# Altium PCB MR9737V1746.PcbDoc
Units mil, origin at the board's own origin, x right, y up, seen from the top; angles counter-clockwise.
Board outline 1968.5 x 3692.91 mil, 2 copper layers (Top Layer, Bottom Layer); 65 components, 47 nets, 202 pads, 90 vias.
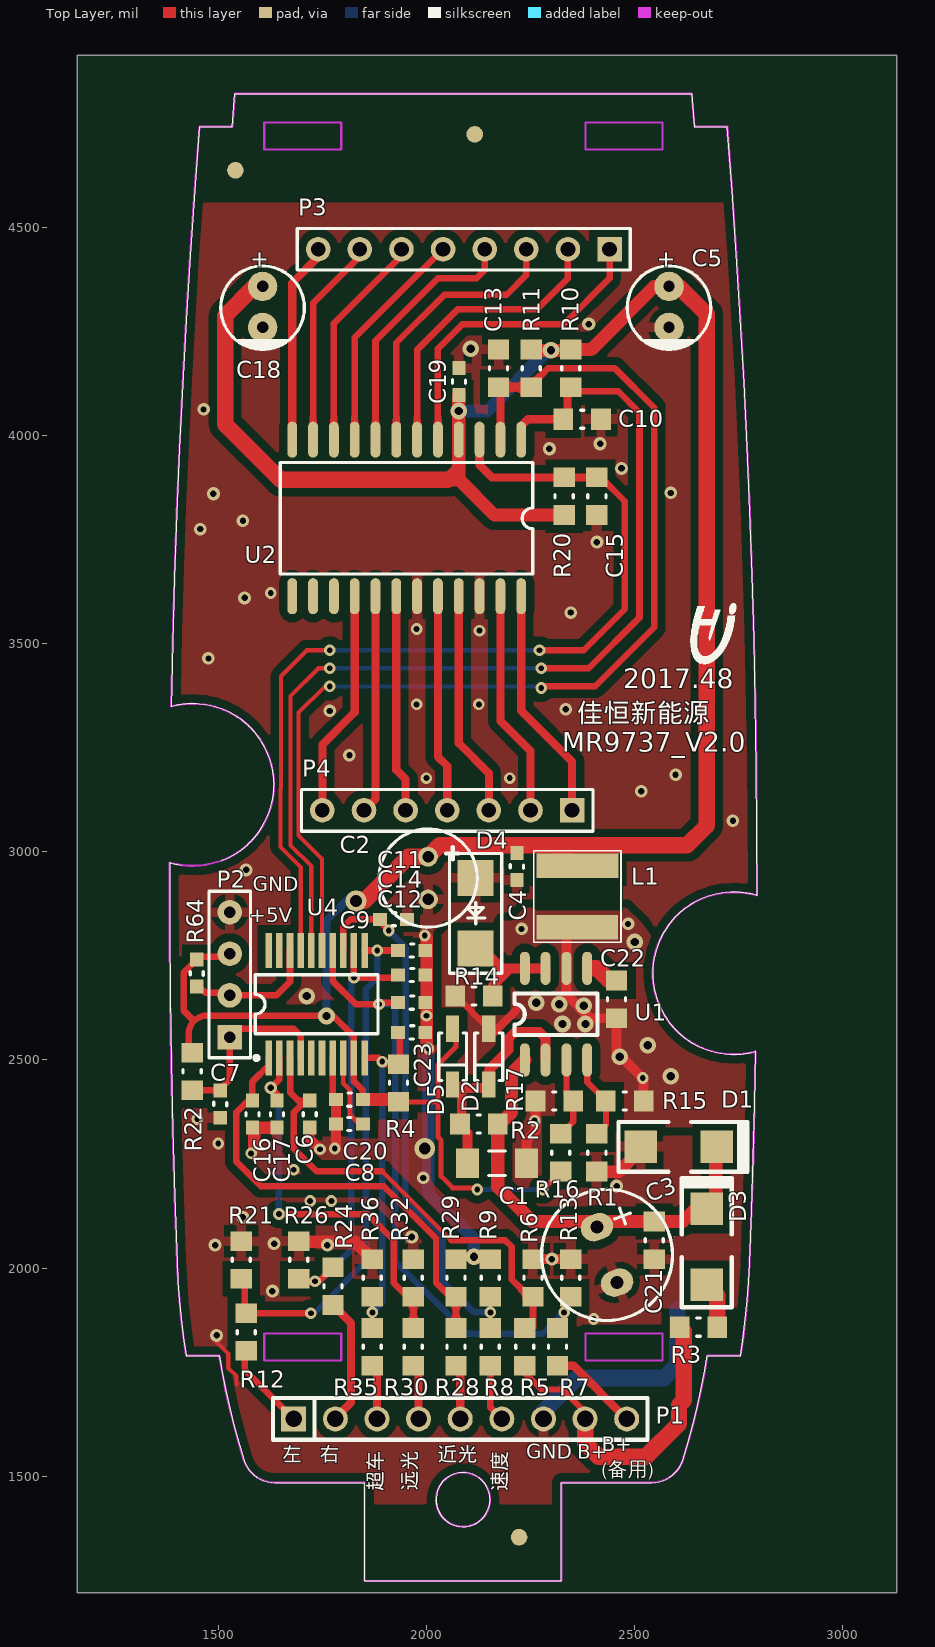
[diagram p0: Top Layer view]
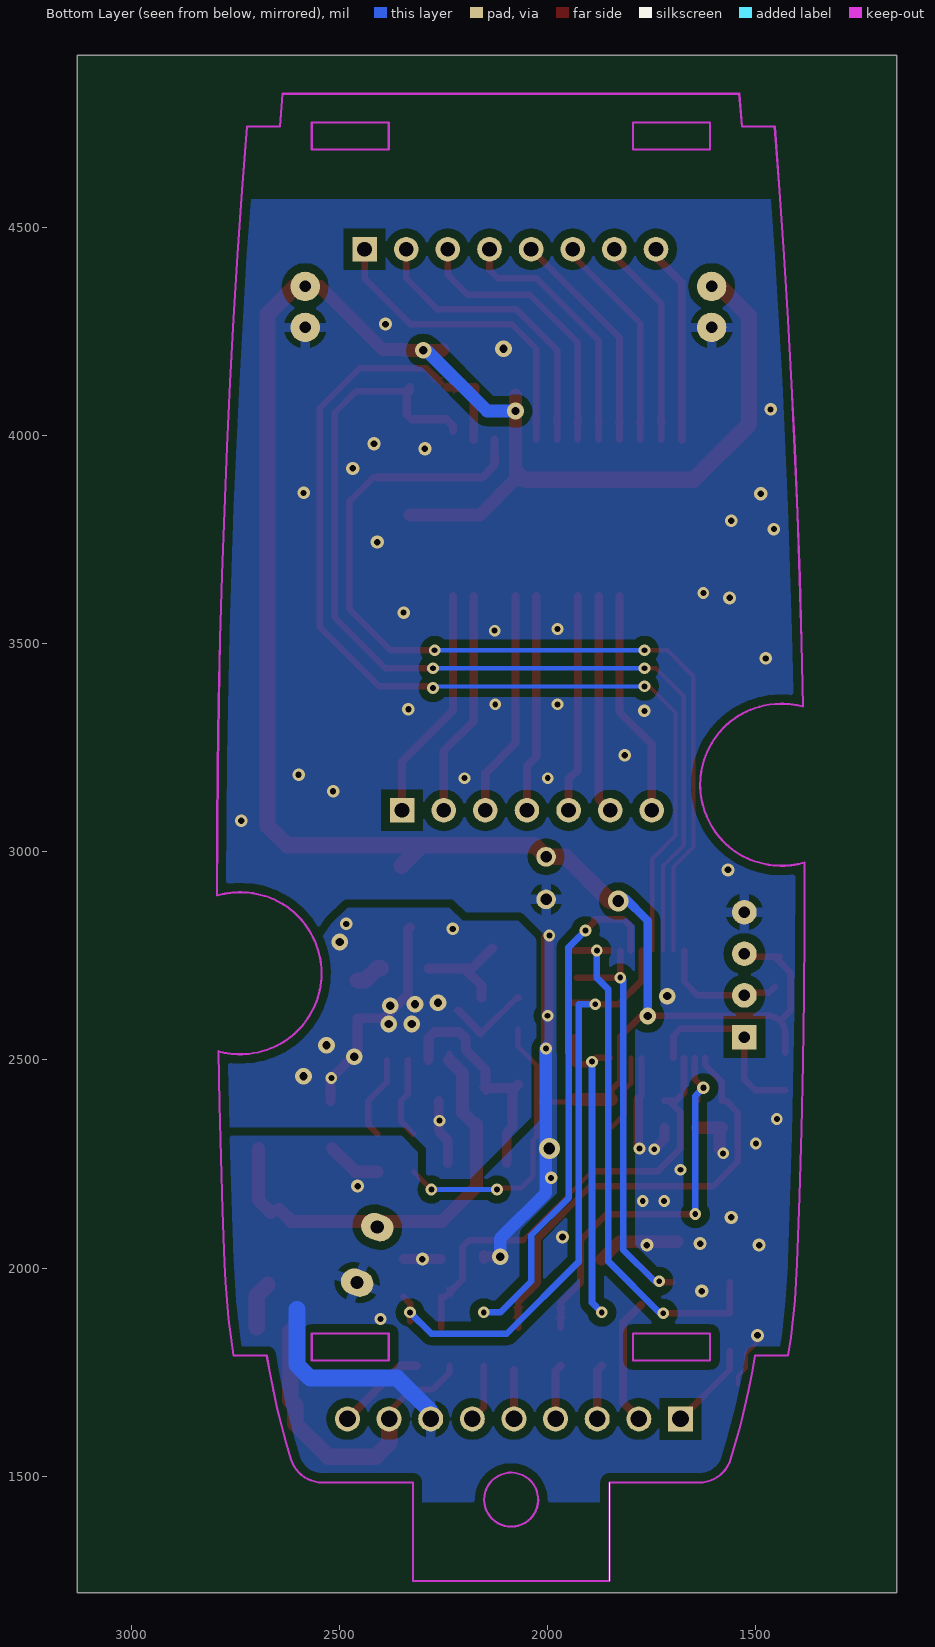
[diagram p1: Bottom Layer view, seen from below]

## Layer stack, top to bottom
Top Solder: solder mask 0.4, Solder Resist, Dk 3.5
Top Layer: signal copper 1.4
Dielectric 1: dielectric 12.6, FR-4, Dk 4.8
Bottom Layer: signal copper 1.4
Bottom Solder: solder mask 0.4, Solder Resist, Dk 3.5

## Board outline
1161.42,4913.39 1161.42,1220.47 3129.92,1220.47 3129.92,4913.39

## Design rules (kind name [scope] priority, off if disabled: settings)
Clearance [InPoly] p1: gap=20
Clearance Clearance_2 [All] p2: gap=8
Clearance Clearance_1 [All] p3 off: gap=19.68
ComponentClearance [All] p1 off: gap=10 collisioncheckmode=3 verticalgap=10 showdistances=FALSE
Height [All] p1 off: minheight=0 maxheight=1000 prefheight=500
HoleSize [All] p1: absolutevalues=TRUE maxlimit=10000 minlimit=10 maxpercent=80.000 minpercent=20.000
MinimumSolderMaskSliver [All] p1 off: minsoldermaskwidth=10
PlaneConnect [All] p1: planeconnectstyle=Relief reliefexpansion=15 reliefentries=4 reliefconductorwidth=10 reliefairgap=12
PolygonConnect PolygonConnect_1 [IsVia] p1: connectstyle=Direct reliefconductorwidth=10 reliefentries=4 polygonreliefangle="90 Angle" airgapwidth=10
PolygonConnect [InNet('GND')] p2: connectstyle=Relief reliefconductorwidth=23.62 reliefentries=4 polygonreliefangle="90 Angle" airgapwidth=15
PolygonConnect PolygonConnect_2 [All] p3: connectstyle=Direct reliefconductorwidth=10 reliefentries=4 polygonreliefangle="90 Angle" airgapwidth=10
RoomDefinition MR9737V2.0 [InComponentClass('MR9737V2.0')] p1: confinementstyle=ConfineIn formatcopy=TRUE lockcomponents=FALSE outline 0,0 2000,0 2000,1000 0,1000
RoutingVias [All] p1: holewidth=20 width=23.62 viastyle="Through Hole" minholewidth=11.81 minwidth=12 maxholewidth=1181.1 maxwidth=5000
SilkToSilkClearance [All] p1 off: silktosilkclearance=10
SilkToSolderMaskClearance [IsPad] p1 off: minsilkscreentomaskgap=10 clearancetoexposedcopper=TRUE
SolderMaskExpansion [All] p1: expansion=4
Width [All] p1: maxlimit=10000 minlimit=7.87 preferedwidth=7.87
23 further rules are at their usual default settings.

## Components (designator, comment, footprint, x,y, rotation, side; value= is the part's Value field where it differs from the comment)
C1 "4.7uF/16V" 1206 2169.29,2251.97 r180 top (schematic designator R2)
C2 "220uF/10V" RB.1/.2 2003.94,2988.19 r270 top
C3 "33uF/100V" "RB 8*12" 2409.45,2098.43 r290 top
C4 "100n" 0603#1 2216.54,2964.57 r90 top (schematic designator R2)
C5 "47uF/10V" CE-D5.2 2582.68,4358.27 r270 top (schematic designator C37)
C6 "100n" 0603#1 1720.47,2370.08 r270 top (schematic designator R2)
C7 "100n" 0603#1 1503.94,2393.7 r90 top (schematic designator R2)
C8 "100n" 0603#2 1847.46,2346.46 r180 top (schematic designator C12)
C9 "10n" 0603#1 1921.26,2838.58 r0 top (schematic designator C174)
C10 "100p" 0805#1 2374.02,4039.37 r180 top (schematic designator C174)
C11 "100n" 0603#1 1964.57,2763.78 r0 top (schematic designator R2)
C12 "100n" 0603#2 1932.07,2637.8 r0 top
C13 "100p" 0805#1 2173.23,4161.42 r270 top (schematic designator C174)
C14 "100n" 0603#1 1964.57,2704.72 r0 top (schematic designator R2)
C15 "100p" 0805#1 2409.45,3854.33 r90 top (schematic designator C174)
C16 "100n" 0603#1 1582.68,2370.08 r270 top (schematic designator R2)
C17 "100n" 0603#1 1641.73,2370.08 r270 top (schematic designator R2)
C18 "47uF/10V" CE-D5.2 1606.3,4358.27 r270 top (schematic designator C37)
C19 "100n" 0603#1 2078.74,4129.92 r270 top (schematic designator R2)
C20 "100n" 0603#1 1814.96,2405.51 r0 top (schematic designator R2)
C21 "100n100V" 0805#1 2547.24,2066.93 r90 top
C22 "4.7uF/16V" 0805#1 2456.69,2645.67 r90 top
C23 "100n" 0603#1 1964.57,2566.93 r0 top (schematic designator R2)
D1 "SMAJ100A" SMA#1 2606.3,2291.34 r180 top
D2 "BZT52C12" SOD123 2149.61,2507.87 r270 top
D3 "M4" SMA#1 2673.23,2051.18 r270 top
D4 "US1D" SMA#2 2118.11,2937.01 r270 top
D5 "SD103CW-7-F" SOD123 2062.99,2507.87 r270 top
L1 "SWPA5040S101MT" L5040 2362.2,2818.9 r90 top
P1 "Header 9" SIP9 1681.1,1637.8 r0 top
P2 "Header 4" HDR1X4 1527.56,2555.12 r90 top
P3 "Header 8" HDR1X8 2439.91,4447.74 r180 top locked
P4 "Header 7" HDR1X7 2349.91,3099.74 r180 top locked (schematic designator P2)
R1 "62k1%" 0805#2 2409.45,2232.28 r90 top
R2 "51k" 0805#1 2125.98,2346.46 r0 top (schematic designator C174)
R3 "10R" 0805#1 2653.54,1858.27 r0 top
R4 "100k" 0805#1 1933.07,2444.88 r270 top (schematic designator C174)
R5 "120k1%" 0805#1 2236.22,1811.02 r270 top (schematic designator C174)
R6 "10k1%" 0805#1 2255.91,1976.38 r90 top (schematic designator C174)
R7 "120k1%" 0805#1 2314.96,1811.02 r270 top (schematic designator C174)
R8 "10k" 0805#1 2153.54,1811.02 r90 top (schematic designator C174)
R9 "100k" 0805#1 2153.54,1976.38 r270 top (schematic designator C174)
R10 "10k" 0805#1 2346.46,4161.42 r90 top (schematic designator C174)
R11 "10k" 0805#1 2251.97,4161.42 r90 top (schematic designator C174)
R12 "100k" 0805#1 1566.93,1846.46 r90 top (schematic designator C174)
R13 "10k1%" 0805#1 2346.46,1976.38 r90 top (schematic designator C174)
R14 "0.27R 1%" 0805#1 2114.17,2653.54 r0 top
R15 "5.1k1%" 0805#1 2476.38,2401.57 r180 top
R16 "62k1%" 0805#1 2322.83,2277.28 r270 top
R17 "5.1k1%" 0805#1 2307.09,2401.57 r0 top
R20 "10k" 0805#1 2330.71,3854.33 r270 top (schematic designator C174)
R21 "15k" 0805#1 1555.12,2019.68 r270 top (schematic designator C174)
R22 "33k" 0805#1 1437.01,2472.44 r90 top (schematic designator C174)
R24 "100k" 0805#1 1775.59,1956.69 r90 top (schematic designator C174)
R26 "15k" 0805#1 1692.91,2019.68 r270 top (schematic designator C174)
R28 "100k" 0805#1 2070.87,1811.02 r90 top (schematic designator C174)
R29 "15k" 0805#1 2070.87,1976.38 r270 top (schematic designator C174)
R30 "100k" 0805#1 1968.5,1811.02 r90 top (schematic designator C174)
R32 "15k" 0805#1 1968.5,1976.38 r270 top (schematic designator C174)
R35 "10k" 0805#1 1870.08,1811.02 r90 top (schematic designator C174)
R36 "NI 15k" 0805#1 1870.08,1976.38 r270 top (schematic designator C174)
R64 "10k" 0603#1 1448.82,2708.66 r270 top (schematic designator C174)
U1 "H6203" SO-8 2236.22,2500 r90 top
U2 "TM1624" SOP24 2227.56,3990.24 r270 top
U4 "STM8S003F3P6TR" SSOP20 1736.22,2633.86 r0 top

## Footprints (in the part's own frame and the unit in brackets; to place one, negate y for a bottom-side part, rotate by r counter-clockwise, add the part's x,y. Pads: shape width x height; smd on the part's side, far side on the other; paste and mask are expansions set on the pad)
0603#1 [mm] "Chip Capacitor, 2-Leads, Body 1.6x0.9mm, IPC Medium Density"
  rect 0.85x0.8 smd: 1(-0.826,-0.018) 2(0.826,-0.018)
  silkscreen extent -0.1,-0.42 0.12,0.38, body extent -0.8,-0.42 0.8,0.43, height 0.45
0603#2 [mm]
  rect 0.85x0.8 smd: 1(0,0) 2(1.651,0)
  silkscreen extent 0.73,-0.4 0.95,0.4, body extent 0.03,-0.41 1.63,0.44, height 0.45
0805#1 [mm] "Chip Resistor, 2-Leads, Body 1.6x0.9mm, IPC Medium Density"
  rect 1.2x1.3 smd: 1(-1.15,0) 2(1.15,0)
  silkscreen extent -0.1,-0.55 0.1,0.55, body extent -0.9,-0.55 0.94,0.55, height 0.45
0805#2 [mm]
  rect 1.2x1.3 smd: 1(-0.007,0) 2(2.293,0)
  silkscreen extent 1.04,-0.55 1.24,0.55, body extent 0.24,-0.55 2.08,0.55, height 0.45
1206 [mm]
  rect 1.4x1.8 smd: 1(-1.8,0) 2(1.8,0)
  silkscreen extent -0.5,-0.75 0.5,0.75, body extent -1.65,-0.88 1.65,0.87, height 0.55
CE-D5.2 [mm] "100uF/16V"
  round 1.8 hole 0.7: 1(0,0) 2(2.5,0)
  silkscreen extent -1.25,-2.55 3.85,2.55
HDR1X4 [mm] "Connector; Header; 4 Position"
  rect 1.5x1.5 hole 0.7: 1(0,0)
  round 1.5 hole 0.7: 2(2.54,0) 3(5.08,0) 4(7.62,0)
  silkscreen extent -1.27,-1.27 8.89,1.27
HDR1X7 [mm] "Connector; Header; 7 Position"
  rect 1.5x1.5 hole 0.9: 1(0,0)
  round 1.5 hole 0.9: 2(2.54,0) 3(5.08,0) 4(7.62,0) 5(10.16,0) 6(12.7,0) 7(15.24,0)
  silkscreen extent -1.27,-1.27 16.51,1.27
HDR1X8 [mm] "Connector; Header; 8 Position"
  rect 1.5x1.5 hole 0.9: 1(0,0)
  round 1.5 hole 0.9: 2(2.54,0) 3(5.08,0) 4(7.62,0) 5(10.16,0) 6(12.7,0) 7(15.24,0) 8(17.78,0)
  silkscreen extent -1.27,-1.27 19.05,1.27
L5040 [mm]
  rect 1.5x5 smd paste-0.1: 1(0,0) 2(3.75,-0.025)
  silkscreen extent -0.92,-2.68 4.67,2.65
"RB 8*12" [mm]
  oval 1.6x2 hole 0.8: 1(0,0) 2(3.6,0)
  silkscreen extent -2.2,-4 5.8,4
RB.1/.2 [mm]
  round 1.2 hole 0.7: 1(0,0) 2(2.6,0)
  silkscreen extent -1.7,-3 4.3,3
SIP9 [mil]
  rect 60x60 hole 40: 1(0,0)
  round 60 hole 40: 2(100,0) 3(200,0) 4(300,0) 5(400,0) 6(500,0) 7(600,0) 8(700,0) 9(800,0)
  silkscreen extent -50,-50 850,50
SMA#1 [mm] "Molded Diode, 2-Leads, Body 5.2x2.6mm, IPC Medium Density"
  rect 2x2 smd: 1(2.318,0) 2(-2.318,0)
  silkscreen extent -4.19,-1.52 3.68,1.52
SMA#2 [mm]
  rect 2.2x2.2 smd: 1(0,0) 2(4.3,0)
  silkscreen extent -1.5,-1.6 5.8,1.6
SO-8 [mil]
  oval 80x24 smd: 1(0,0) 2(0,-50) 3(0,-100) 4(0,-150) 5(220,-150) 6(220,-100) 7(220,-50) 8(220,0)
  silkscreen extent 60,-175 160,25
SOD123 [mm] "SOD-123; 2 Leads; Body 2.7 x 1.6 mm, (LxW)"
  rect 1.6x0.8 smd: 1(-1.7,0) 2(1.7,0)
  silkscreen extent -1.45,-0.85 1.45,0.85
SOP24 [mm] "TM1624"
  oval 2.2x0.6 smd: 1(0,0) 2(0,-1.27) 3(0,-2.54) 4(0,-3.81) 5(0,-5.08) 6(0,-6.35) 7(0,-7.62) 8(0,-8.89) 9(0,-10.16) 10(0,-11.43) 11(0,-12.7) 12(0,-13.97) 13(9.552,-13.97) 14(9.552,-12.7) 15(9.552,-11.43) 16(9.552,-10.16) 17(9.552,-8.89) 18(9.552,-7.62) 19(9.552,-6.35) 20(9.552,-5.08) 21(9.552,-3.81) 22(9.552,-2.54) 23(9.552,-1.27) 24(9.552,0)
  silkscreen extent 1.4,-14.7 8.2,0.7
SSOP20 [mm] "SSOP, Plastic; 20 Leads; Body Width 5.3 mm; Pitch 0.65 mm"
  rect 0.4x2.15 smd: 1(-2.925,-3.275) 2(-2.275,-3.275) 3(-1.625,-3.275) 4(-0.975,-3.275) 5(-0.325,-3.275) 6(0.325,-3.275) 7(0.975,-3.275) 8(1.625,-3.275) 9(2.275,-3.275) 10(2.925,-3.275) 11(2.925,3.275) 12(2.275,3.275) 13(1.625,3.275) 14(0.975,3.275) 15(0.325,3.275) 16(-0.325,3.275) 17(-0.975,3.275) 18(-1.625,3.275) 19(-2.275,3.275) 20(-2.925,3.275)
  silkscreen extent -3.8,-3.4 3.75,1.8

## Part data
C1 C4 C7 C9 C11 C14 C16 C17 C19 C20 C21 C22 C23: library part Cap
C2 C3 C5 C18: library part Capacitor
C6 C8 C12: library part Cap, "Capacitor"
C10 C13 C15: library part CAP
D1 D2: library part WDIODE_Z, "Diode"
D3 D5: library part DIODE, "Diode"
D4: library part "DIODE SCHOTTKY", "Schottky Diode"
L1: library part WHLL
P1: "Header, 9-Pin"
P2: "Header, 4-Pin"
P3: "Header, 8-Pin"
P4: "Header, 7-Pin"
R1 R2 R3 R5 R6 R7 R13 R14 R15 R16 R17 R22 R64: library part WHLRES
R4 R8 R9 R10 R11 R12 R20 R21 R24 R26 R28 R29 R30 R32 R35 R36: library part RES1
U4: library part STM8S003F3P6

## Free pads (board coordinates)
  round 40 smd: 0(1541.24,4637.11) 0(2116.05,4723.72) 0(2222.35,1353.65)
  round 86.61 on Top Solder: 1(1542.24,4638.11) 1(2117.05,4724.72) 1(2223.35,1354.65)

## Via types
v1: diameter 28, hole 14, Top Layer to Bottom Layer, tented both sides, 40 vias
v2: diameter 31.5, hole 15.75, Top Layer to Bottom Layer, tented both sides, 17 vias
v3: diameter 40, hole 20, Top Layer to Bottom Layer, tented both sides, 15 vias
v4: diameter 30, hole 15, Top Layer to Bottom Layer, tented both sides, 15 vias
v5: diameter 50, hole 28, Top Layer to Bottom Layer, tented both sides, 2 vias
v6: diameter 30, hole 15, Top Layer to Bottom Layer, 1 vias

## Nets (pads, with @x,y where several pads share a name; then routed paths per layer and width w, separated by ;. In a path a pad name is that pad's centre, name@x,y a point inside that pad or via, vN(x,y) a via of type N, cw(c..) or ccw(c..) an arc to the next point about the centre after c; other vN are vias at no path point)
48V: P1.9 R7.2 | length 219.1
  Top Layer w20: R7.2 2353.15,1765.75 P1.9
+5V: C2.1 C4.2 C5.1 C18.1 C19.2 C20.2 D5.1 L1.2 P2.3 R4.2 R10.2 R11.2 R16.2 R20.2 R22.2 R64.1 U2.4 U4.9 | length 6600.1
  Top Layer w12: R4.2 2025.59,2399.61 ; D5.1@2070.87,2574.8 2070.87,2531.5 2027.56,2488.19 2027.56,2314.96 2035.43,2307.09 2035.43,2220.47 2062.99,2192.91 v1@2118.11,2192.91 ; v1(2279.53,2188.98) 2279.8,2188.98 R16.2
  Top Layer w15: 1429.13,2566.93 cw(c1472.44,2562.99) 1432.85,2580.99 cw(c1472.44,2562.99) 1441.69,2593.74 cw(c1472.44,2562.99) 1464.68,2605.78
  Top Layer w15.75: R22.2@1429.13,2517.72 1429.13,2566.93 ; 1441.69,2593.74 1416.48,2618.96 1416.48,2709.54 R64.1 ; R64.1@1442.91,2748.03 1520.47,2748.03 P2.3 ; 1464.68,2605.78 v3(1759.84,2605.78) 1776.11,2605.78 1825.79,2556.1 U4.9 1825.79,2449.11 1847.46,2427.43 C20.2
  Top Layer w31.5: v5(1830.71,2881.89) v5@1838.58,2889.76 ; C20.2 R4.2@1933.07,2404.79 ; 2051.18,3893.7 2077.56,3920.08 ; C19.2@2077.56,4097.42 v3(2077.56,4059.06) U2.4 2077.56,3920.08 ; R11.2 2253.94,4204.72 v3(2299.21,4204.72) 2340.55,4204.72 2342.52,4206.69 R10.2 2395.67,4206.69 2547.24,4358.27 C5.1 C5.1@2590.55,4358.27 ; R20.2 2163.39,3809.05 2077.56,3894.88 2077.56,3920.08
  Top Layer w39.37: C18.1 1586.61,4358.27 1516.4,4288.06 1516.4,4026.9 1649.61,3893.7 ; v5(1830.71,2881.89) 1850.39,2881.89 1956.69,2988.19 C2.1 2031.5,3015.75 2302.17,3015.75 ; L1.2@2351.38,2966.54 2302.17,3015.75 ; C5.1@2590.55,4358.27 2606.3,4358.27 2673.23,4291.34 2673.23,3062.99 2625.98,3015.75 2302.17,3015.75
  Top Layer w40: 1649.61,3893.7 2051.18,3893.7
  Bottom Layer w12: v1(2122.05,2188.98) v1(2279.53,2188.98)
  Bottom Layer w20: v3(1759.84,2605.78) 1759.84,2834.65 v5@1814.96,2889.76
  Bottom Layer w31.5: v3(2077.56,4059.06) 2145.67,4059.06 2291.34,4204.72 v3(2299.21,4204.72)
AD_B+: C6.1 R5.1 R6.1 U4.3 | length 1108.7
  Top Layer w10: 1893.7,2232.28 2059.06,2066.93
  Top Layer w15.75: U4.3 1672.63,2504.53 1672.63,2421.85 1691.91,2402.58 C6.1@1709.67,2402.58 ; C6.1 C6.1@1709.67,2402.58 ; 1893.7,2232.28 1736.22,2232.28 1681.1,2287.4 1681.1,2374.02 C6.1@1709.67,2402.58 ; 2059.06,2066.93 2188.98,2066.93 2204.72,2051.18 2204.72,1972.44 2246.06,1931.1 R6.1 R5.1@2255.91,1856.3
AD_B+2: C12.1 R7.1 R13.1 U4.14 | length 1467.8
  Top Layer w15.75: U4.14 1774.61,2689.96 1830.71,2633.86 v1(1885.83,2633.86) 1889.76,2637.8 1936,2637.8 C12.1@1938.94,2637.8 ; R7.1@2330.71,1872.05 v1(2330.71,1893.7) 2330.71,1915.35 R13.1
  Bottom Layer w15.75: 1901.57,2633.86 1925.2,2633.86 1925.2,2015.75 2098.43,1842.52 2279.53,1842.52 v1(2330.71,1893.7)
B+: P1.8 R3.1 R5.2 | length 794
  Top Layer w15: R5.2 2236.22,1748.03 2275.59,1708.66 2326.77,1708.66 2372.05,1663.39 P1.8@2372.05,1637.8
  Top Layer w31.5: P1.8@2372.05,1637.8 P1.8
  Top Layer w39.37: P1.8 2381.1,1579.53 2413.39,1547.24 2527.56,1547.24 2606.65,1626.33 2606.65,1670.72 2618.11,1682.18 2618.11,1848.43 R3.1
C: P1.4 R30.1 | length 133.2
  Top Layer w19.68: R30.1 1981.1,1753.15 P1.4
CLK: C13.2 R11.1 U2.2 U4.15 | length 2610.1
  Top Layer w10: U4.15 1749.02,2983.27 1692.91,3039.37 1692.91,3334.65 1755.91,3397.64 v1(1767.72,3397.64)
  Top Layer w15.75: R11.1@2255.91,4125.98 2291.34,4161.42 2452.76,4161.42 2547.24,4066.93 2547.24,3539.37 2405.51,3397.64 2275.59,3397.64 v1@2271.65,3393.7
  Top Layer w19.68: C13.2@2173.23,4106.3 C13.2@2173.23,4111.81 ; C13.2 R11.1@2242.13,4116.14 ; U2.2 C13.2@2177.56,4111.81
  Bottom Layer w10: v1(1767.72,3397.64) 2271.65,3397.64 v1(2275.59,3393.7)
DIN: C10.2 R10.1 U2.1 U4.16 | length 2446.3
  Top Layer w10: U4.16 1723.42,2965.55 1673.23,3015.75 1673.23,3374.02 1740.16,3440.94 v1(1767.72,3440.94)
  Top Layer w15.75: v1@2271.65,3440.94 v1(2275.59,3440.94) 2389.76,3440.94 2511.81,3562.99 2511.81,4055.12 2460.63,4106.3 2338.58,4106.3 R10.1@2330.71,4106.3
  Top Layer w19.68: U2.1@2227.56,4011.81 2227.56,4022.83 2244.09,4039.37 C10.2 ; R10.1@2330.71,4106.3 2330.71,4116.14 2338.58,4108.27 2338.58,4106.3 C10.2@2338.58,4049.21
  Bottom Layer w10: v1(1767.72,3440.94) v1(2275.59,3440.94)
F: P1.5 R28.1 | length 117.7
  Top Layer w19.68: P1.5 R28.1@2081.1,1755.51
GND: C2.2 C3.2 C4.1 C5.2 C6.2 C7.1 C8.2 C9.2 C10.1 C11.2 C12.2 C13.1 C14.2 C15.1 C16.2 C17.2 C18.2 C19.1 C20.1 C21.1 C23.2 D1.1 D4.1 P1.7 P2.4 R1.1 R6.2 R9.1 R13.2 R21.1 R26.1 R29.1 R32.1 R36.1 U2.19 U2.22 U4.7 | length 2324.8
  Top Layer w10: v2(1496.06,1838.58) 1496.06,1822.83 1523.72,1795.18 1523.72,1760.56 1543.31,1740.97 1543.31,1720.47
  Top Layer w15: C20.1@1774.61,2412.65 U4.7
  Top Layer w23.62: C6.2 1719.75,2309.75 v1(1744.09,2285.41) ; v1@1782.46,2287.4 C20.1 ; v1@2003.94,2527.28 v1(2004.22,2527.56) ; v3(2114.17,2027.56) 2149.61,2027.56 2153.54,2031.5 R9.1 ; R6.2 v2(2301.18,2021.65) R13.2
  Top Layer w30: 1586.61,2287.4 1586.61,2332.92 C16.2 C17.2 ; R26.1@1688.98,2062.99 1828.74,2062.99 R36.1 ; v1@2001,2794.27 2001,2530.21 v1@2003.94,2527.28 ; R1.1 2462.32,2232.01 D1.1@2517.72,2287.4
  Bottom Layer w30: v1(2004.22,2527.56) 2004.22,2180.82 2114.17,2070.87 v3(2114.17,2027.56)
  Bottom Layer w40: P1.7 2281.1,1655.12 2362.2,1736.22 2570.87,1736.22 2602.36,1767.72 2602.36,1901.57
  other v1: 2401.57,1877.95 1720.47,2161.42 1771.65,2161.42 1681.1,2236.22 1578.74,2275.59 1779.53,2287.4 1500,2299.21 1449.54,2358.26 2000.28,2606.3 1996.06,2799.21 1999.86,3177.16 2199.91,3177.16 1976.38,3354.33 2125.98,3354.33 2127.56,3531.49 1976.38,3535.43 1625.98,3622.05
  other v2: 1629.92,1944.88 1492.13,2055.12 1761.81,2055.11 1633.86,2059.06 1964.57,2074.8 1559.06,2122.05 2456.69,2196.85 1566.93,2956.69 1562.99,3610.24 2409.45,3744.09 1488.19,3860.24 2468.5,3921.26 2295.28,3968.5 2417.32,3980.32 2389.76,4267.72
  other v3: 1712.6,2653.54 2106.3,4208.66
  other v4: 2736.22,3074.8 2515.75,3145.67 2598.43,3185.04 1814.96,3232.28 1767.72,3338.58 2334.65,3342.52 1476.38,3464.57 2346.46,3574.8 1456.69,3775.59 1559.06,3795.28 2586.61,3862.2 1464.57,4062.99
  other v5: 1996.06,2287.4
  other v6: 1992.13,2216.54
GND1: C1.1 C22.1 D2.1 L1.1 R14.1 R15.1 R17.1 U1.6 | length 896.1
  Top Layer w15: R14.1@2068.9,2649.61 2074.8,2649.61 D2.1@2160.3,2564.11
  Top Layer w20: D2.1@2160.3,2564.11 2214.88,2618.7
  Top Layer w23.62: C1.1 2240.16,2307.09 2261.81,2328.74 R17.1 ; L1.1@2330.71,2818.9 2336.22,2813.39 U1.6 2336.22,2657.48 2393.31,2600.39 C22.1 2456.69,2519.69 2521.65,2454.72 R15.1
  other v1: 2259.84,2354.33 2519.68,2456.69
  other v3: 2586.61,2460.63 2464.57,2507.87 2531.5,2535.43 2326.77,2586.61 2381.89,2586.61 2377.95,2629.92 2318.9,2633.86 2263.78,2637.8 2500,2783.46
  other v4: 2228.35,2814.96 2484.25,2826.77
GRID1: P4.1 U2.24 | length 565.1
  Top Layer w19.68: U2.24 2227.56,3339.37 2349.91,3217.02 P4.1
GRID2: P4.2 U2.23 | length 544.4
  Top Layer w19.68: U2.23 2177.56,3314.57 2249.91,3242.22 P4.2
GRID3: P4.3 U2.21 | length 544.4
  Top Layer w19.68: U2.21 2077.56,3261.02 2149.91,3188.68 P4.3
GRID4: P4.4 U2.20 | length 523.7
  Top Layer w19.68: U2.20 2027.56,3228.35 2049.91,3206 P4.4
GRID5: P4.5 U2.18 | length 523.7
  Top Layer w19.68: U2.18 1927.56,3196.85 1949.91,3174.5 P4.5
GRID6: P4.6 U2.17 | length 525.9
  Top Layer w19.68: P4.6 1877.56,3127.39 U2.17
GRID7: P4.7 U2.16 | length 546.6
  Top Layer w19.68: P4.7 1749.91,3257.78 1827.56,3335.43 U2.16
HL: P1.6 R8.1 | length 139.4
  Top Layer w15.75: R8.1 2153.54,1665.35 P1.6
L: P1.1 R12.1 | length 212.3
  Top Layer w15.75: R12.1@1562.99,1801.18 1562.99,1755.91 P1.1
NetC1_2: C1.2 D2.2 D5.2 R2.1 U1.2 | length 577.1
  Top Layer w15: D2.2@2147.64,2423.23 D2.2@2157.48,2433.07
  Top Layer w23.62: D5.2@2070.87,2440.94 D5.2@2078.74,2433.07 ; C1.2 2098.43,2324.8 2084.65,2338.58 2084.65,2427.17 D5.2@2078.74,2433.07 ; U1.2 2286.22,2552.36 2271.65,2566.93 2212.6,2566.93 2196.85,2551.18 2196.85,2523.62 2149.61,2476.38 2149.61,2433.07 D5.2@2078.74,2433.07
NetC3_1: C3.1 C21.2 D1.2 D3.2 R2.2 U1.1 | length 1037.9
  Top Layer w15: U1.1 U1.1@2236.22,2515.75
  Top Layer w31.5: U1.1 2204.72,2468.5 2204.72,2374.02 2177.17,2346.46 R2.2 2171.26,2194.88 2253.94,2112.2 C21.2 2616.14,2112.2 D3.2@2645.67,2141.73 ; D3.2@2665.35,2133.86 2694.88,2163.39 D1.2@2694.88,2287.4
NetC8_1: C8.1 U4.8 | length 185.5
  Top Layer w11.81: U4.8 1800.2,2443.9 1815.94,2428.15 1815.94,2369.09 C8.1@1846.46,2338.58
NetC22_2: C22.2 U1.5 | length 67.3
  Top Layer w39.37: 2401.57,2720.47 2409.45,2720.47 2438.98,2690.94 C22.2
NetD3_1: D3.1 R3.2 | length 112.3
  Top Layer w39.37: D3.1 2698.82,1934.35 R3.2
NetD4_2: D4.2 R14.2 U1.7 U1.8 | length 259.6
  Top Layer w23.62: D4.2@2133.86,2767.72 2181.57,2720 2200.79,2720 ; R14.2@2159.45,2649.61 2159.45,2678.66 2200.79,2720 ; U1.7 U1.8 2200.79,2720
NetR1_2: R1.2 R15.2 U1.4 | length 205
  Top Layer w15: U1.4 2386.22,2446.46 R15.2 2431.1,2344.21 R1.2
NetR16_1: R16.1 R17.2 U1.3 | length 196.4
  Top Layer w15: R16.1 2352.36,2352.09 R17.2 2336.22,2417.72 U1.3
NRST: C7.2 P2.1 R22.1 U4.4 | length 452.7
  Top Layer w15.75: R22.1@1429.13,2427.17 C7.2@1501.68,2427.17 ; C7.2@1500.72,2426.2 C7.2@1501.68,2427.17 ; P2.1 P2.1@1527.56,2551.18 ; U4.4 1697.83,2558.07 1681.1,2574.8 1551.18,2574.8 P2.1@1527.56,2551.18 ; C7.2@1501.68,2427.17 1527.56,2453.04 P2.1@1527.56,2551.18
PA3: C23.1 R4.1 R35.2 R36.2 U4.10 | length 765.4
  Top Layer w15.75: U4.10 1884.84,2504.92 v1(1893.7,2496.06) 1899.61,2490.16 R4.1 1936,2493.09 C23.1@1936,2554.4
  Bottom Layer w15.75: v1(1870.08,1893.7) 1893.7,1917.32 v1(1893.7,2496.06)
R: P1.2 R24.1 | length 307.2
  Top Layer w19.68: R24.1 1818.9,1868.11 1818.9,1677.17 1781.1,1639.37 P1.2
S: P1.3 R35.1 | length 132.5
  Top Layer w19.68: R35.1 1881.1,1754.72 P1.3
SEG1: P3.1 U2.5 | length 770.7
  Top Layer w15.75: U2.5 2027.56,4208.66 2086.61,4267.72 2329.67,4267.72 2439.91,4377.95 P3.1
SEG2: P3.2 U2.6 | length 719.1
  Top Layer w15.75: U2.6 1977.56,4205.91 2074.8,4303.15 2265.1,4303.15 2339.91,4377.95 P3.2
SEG3: P3.3 U2.7 | length 674.5
  Top Layer w15.75: U2.7 1927.56,4222.83 2043.31,4338.58 2192.91,4338.58 2239.91,4385.57 P3.3
SEG4: P3.4 U2.8 | length 620.5
  Top Layer w15.75: U2.8 1877.56,4227.95 2027.56,4377.95 2120.22,4377.95 2139.91,4397.64 P3.4
SEG5: P3.5 U2.9 | length 545.5
  Top Layer w15.75: U2.9 1827.56,4235.39 P3.5
SEG6: P3.6 U2.10 | length 524.7
  Top Layer w15.75: U2.10 1777.56,4269.69 1939.91,4432.03 P3.6
SEG7: P3.7 U2.11 | length 504
  Top Layer w15.75: U2.11 1727.56,4318.11 1839.91,4430.46 P3.7
SEG8: P3.8 U2.12 | length 483.3
  Top Layer w19.68: U2.12 1677.56,4366.54 1739.91,4428.88 P3.8
STB: C15.2 R20.1 U2.3 U4.17 | length 2262
  Top Layer w10: U4.17 1697.83,2963.58 1649.61,3011.81 1649.61,3150.79 1650.33,3151.51 1650.33,3421.98 1712.6,3484.25 v1@1763.78,3484.25
  Top Layer w15.75: v1(2271.65,3484.25) 2377.95,3484.25 2476.38,3582.68 2476.38,3842.52 2419.29,3899.61 C15.2
  Top Layer w19.68: U2.3 2127.56,3929.13 2157.09,3899.61 R20.1 C15.2
  Bottom Layer w10: v1(1767.72,3484.25) v1@2259.84,3484.25
SWIM: P2.2 R64.2 U4.18 | length 313.9
  Top Layer w15.75: R64.2@1454.29,2676.18 1469.06,2661.42 1517.32,2661.42 P2.2@1525.59,2653.15 ; P2.2 1639.37,2655.12 1672.24,2687.99 U4.18
右转: C14.1 R24.2 R26.2 U4.12 | length 1017.1
  Top Layer w15.75: R26.2@1700.79,1966.54 1730.32,1966.54 v1(1732.28,1968.5) 1742.13,1968.5 R24.2 ; v1(1825.79,2697.84) U4.12 ; 1841.54,2697.84 C14.1@1929.83,2697.84
  Bottom Layer w15.75: v1(1732.28,1968.5) 1743.11,1968.5 1818.9,2044.29 1818.9,2690.95 v1(1825.79,2697.84)
左转: C11.1 R12.2 R21.2 U4.11 | length 1260.6
  Top Layer w15.75: R21.2@1562.99,1966.54 1562.99,1891.73 v1(1722.44,1891.73) ; U4.11@1851.64,2763.06 v1(1881.89,2763.06) C11.1@1936,2763.06
  Bottom Layer w15.75: v1(1722.44,1891.73) 1730.32,1891.73 1854.33,2015.75 1854.33,2669.29 1881.89,2696.85 v1(1881.89,2763.06)
近光: C16.1 R28.2 R29.2 U4.1 | length 1078.2
  Top Layer w15.75: U4.1 1621.06,2487.2 1581.96,2448.1 C16.1 1571.87,2402.58 1543.31,2374.02 1543.31,2255.91 1602.36,2196.85 1897.64,2196.85 2023.62,2070.87 2023.62,1964.57 2070.87,1917.32 R28.2
远光: C17.1 R30.2 R32.2 U4.2 | length 960.3
  Top Layer w15.75: C17.1 1641.01,2418.04 v4(1625.98,2433.07) 1646.65,2453.74 U4.2 ; v1(1645.67,2129.92) 1858.27,2129.92 1921.26,2066.93 1921.26,1964.57 1968.5,1917.32 R30.2
  Bottom Layer w15.75: v4(1625.98,2433.07) 1645.67,2413.39 v1(1645.67,2129.92)
速度: C9.1 R8.2 R9.2 U4.13 | length 1224.4
  Top Layer w15.75: U4.13 1800.2,2819.88 1818.18,2837.86 C9.1@1882.61,2837.86 ; C9.1 1888.76,2831.71 v1(1909.45,2811.02)
  Bottom Layer w15.75: v1(1909.45,2811.02) 1950.06,2770.41 1950.06,2517.06 1949.44,2516.44 1949.44,2168.67 2039.37,2078.74 2039.37,1968.5 2114.17,1893.7 v1(2153.54,1893.7)
pads on no net: U2.13 U2.14 U2.15 U4.5 U4.6 U4.19 U4.20

## Polygon pours and split planes (outlines as drawn)
GND1 on Top Layer "Top Layer-GND1" (solid, remove dead copper, pour order 50): 2232.28,2866.14 2480.32,2866.14 2519.68,2826.77 2555.17,2774.4 2622.05,2594.49 2814.96,2531.5 2866.14,2338.58 2610.24,2338.58 2409.45,2338.58 2342.52,2338.58 2303.15,2299.21 2291.34,2287.4 2291.34,2216.54 2267.72,2192.91 2232.28,2192.91 2208.66,2192.91 2145.67,2255.91 2027.56,2374.02 2027.56,2653.54 2027.56,2791.34 2062.99,2826.77 2070.87,2834.65 2165.35,2834.65 2204.72,2834.65 2236.22,2866.14
GND on Top Layer "Top Layer-GND1" (solid, remove dead copper, pour order 54): 1334.65,4559.06 2744.09,4559.06 2842.52,4460.63 2897.64,4405.51 2897.64,3255.91 2897.64,1637.8 2704.72,1444.88 2692.91,1433.07 1937.01,1433.07 1500,1433.07 1263.78,1669.29 1263.78,4496.06 1326.77,4559.06
GND1 on Bottom Layer "Top Layer-GND1" (solid, remove dead copper, pour order 52): 2232.28,2866.14 2480.32,2866.14 2519.68,2826.77 2555.17,2774.4 2826.77,2555.12 2826.77,2350.39 2807.09,2338.58 2610.24,2338.58 2409.45,2338.58 2342.52,2338.58 2303.15,2299.21 2291.34,2287.4 2291.34,2216.54 2267.72,2192.91 2232.28,2192.91 2208.66,2192.91 2145.67,2255.91 2027.56,2374.02 2027.56,2653.54 2027.56,2791.34 2062.99,2826.77 2070.87,2834.65 2165.35,2834.65 2204.72,2834.65 2236.22,2866.14
GND on Bottom Layer "Top Layer-GND1" (solid, remove dead copper, pour order 56): 1348.6,4567.27 2769.86,4567.27 2856.47,4480.65 2856.47,1787.74 2785.61,1716.87 2506.08,1437.35 2151.75,1437.35 1620.25,1437.35 1356.47,1701.13 1356.47,4480.65 1427.34,4551.52

## Keep-outs
Bottom Solder:
  rectangle: 2224.41,2562.99 2527.56,2649.61
Keep-Out Layer:
  circle w5: c2087.8,1443.87 r64.96
  lines w5: 1386.74,3348.83 cw(c24467.14,2923.4) 1454.61,4742.6 ; 1400.82,2011.88 cw(c24467.14,2923.4) 1382.87,2974.56 ; 1400.83,2011.7 ccw(c3335.26,2088.14) 1422.47,1789.63 ; 1422.47,1789.62 1502.2,1789.62 ccw(c3335.26,2088.14) 1560.66,1540.41 ccw(c1635.9,1563.63) 1635.9,1484.89 1851.57,1484.89 1851.57,1248.67 2324.02,1248.67 2324.02,1484.89 2541.26,1484.89 ccw(c2541.26,1563.63) 2616.5,1540.41 ccw(c841.91,2088.14) 2674.96,1789.61 2754.7,1789.62 ; 1454.59,4742.41 1533.58,4742.41 1539.96,4821.17 2637.2,4821.17 2643.58,4742.41 2722.57,4742.41 ; 2022.83,1443.87 ccw(c2087.8,1443.87) 2152.76,1443.87 ; 2722.56,4742.6 cw(c-20289.98,2923.4) 2794.33,2894.79 ; 2754.7,1789.63 ccw(c841.91,2088.14) 2776.34,2011.7 ; 2776.33,2011.48 ccw(c-20289.27,2923.38) 2790.84,2520.91 ; 2790.84,2520.72 cw(c2741.02,2698.28) 2781.69,2518.41 cw(c2740.59,2700.17) 2776.04,2517.22 cw(c2740.22,2702.09) 2771.79,2516.45 cw(c2739.8,2704.57) 2763.27,2515.19 cw(c2739.61,2706.13) 2755.42,2514.39 cw(c2739.44,2708.19) 2749.7,2514 cw(c2739.31,2710.74) 2738.22,2513.73 cw(c2739.32,2712.22) 2728.85,2514 cw(c2739.5,2715.16) 2695.89,2518.5 cw(c2739.36,2714.69) 2675.09,2524.29 cw(c2738.66,2712.59) 2664.24,2528.31 cw(c2737.86,2710.6) 2654.91,2532.37 cw(c2736.87,2708.46) 2649.69,2534.89 cw(c2735.93,2706.61) 2642.05,2538.95 cw(c2735.2,2705.29) 2635.84,2542.58 cw(c2733.91,2703.17) 2631.59,2545.25 cw(c2732.78,2701.43) 2626.23,2548.86 cw(c2731.7,2699.89) 2619.28,2553.95 cw(c2731.6,2699.74) 2614.22,2558 cw(c2732.91,2701.32) 2609.82,2561.76 cw(c2734.02,2702.58) 2605.53,2565.66 cw(c2735.53,2704.18) 2600.83,2570.23 cw(c2736.88,2705.53) 2594.36,2577.06 cw(c2738.41,2706.92) 2590.56,2581.4 cw(c2740.52,2708.69) 2584.68,2588.67 cw(c2741.57,2709.5) 2577.93,2597.98 cw(c2744.5,2711.44) 2554.72,2643.61 cw(c2743.19,2710.96) 2552.42,2650.43 cw(c2740.85,2710.23) 2548.4,2665.01 cw(c2738.68,2709.71) 2547.02,2671.36 cw(c2736.76,2709.33) 2545.5,2679.94 cw(c2734.26,2708.95) 2544.38,2688.59 cw(c2732.37,2708.74) 2543.9,2693.63 cw(c2730.22,2708.57) 2543.53,2699.38 cw(c2727.62,2708.46) 2543.36,2713.02 cw(c2728.17,2708.43) 2543.73,2720.9 cw(c2730.19,2708.29) 2544.2,2726.63 cw(c2732.17,2708.1) 2544.68,2730.91 cw(c2734.04,2707.87) 2545.92,2739.48 cw(c2736.19,2707.51) 2547.11,2745.9 cw(c2738.16,2707.11) 2549.03,2754.41 cw(c2740.6,2706.5) 2552.83,2767.6 cw(c2742.51,2705.88) 2555.17,2774.4 cw(c2744.09,2705.31) 2564.63,2796.17 cw(c2744.28,2705.25) 2578.3,2819.23 cw(c2742.28,2706.61) 2583.35,2826.26 cw(c2740.91,2707.65) 2591.48,2836.34 cw(c2739.05,2709.24) 2595.29,2840.65 cw(c2737.45,2710.71) 2600.76,2846.38 cw(c2736.38,2711.77) 2605.94,2851.41 cw(c2734.73,2713.54) 2610.79,2855.79 cw(c2733.5,2714.95) 2615.24,2859.54 cw(c2731.82,2717.02) 2623.84,2866.17 cw(c2732.1,2716.61) 2630.96,2871.07 cw(c2733.2,2714.93) 2635.81,2874.14 cw(c2734.23,2713.25) 2639.51,2876.34 cw(c2735.41,2711.2) 2647.68,2880.83 cw(c2736.19,2709.7) 2654.12,2884.01 cw(c2737.07,2707.84) 2659.37,2886.38 cw(c2737.89,2705.95) 2668.76,2890.19 cw(c2738.66,2703.89) 2680.45,2894.16 cw(c2739.34,2701.65) 2708.51,2900.59 cw(c2739.34,2701.93) 2730.04,2902.76 cw(c2739.25,2703.82) 2741.67,2902.95 cw(c2739.27,2706.09) 2752.5,2902.52 cw(c2739.42,2708.21) 2758.25,2902.05 cw(c2739.63,2710.35) 2766.11,2901.12 cw(c2739.85,2711.97) 2774.64,2899.74 cw(c2740.27,2714.26) 2778.88,2898.91 cw(c2740.68,2716.23) 2784.52,2897.63 cw(c2741.19,2718.31) 2794.33,2894.98 ; 1382.87,2974.54 ccw(c1435.98,3151.23) 1392.68,2971.88 ; 1382.87,2974.54 ccw(c1435.98,3151.23) 1392.68,2971.88 ; 1392.68,2971.88 ccw(c1436.49,3153.3) 1398.31,2970.61 ; 1392.68,2971.88 ccw(c1436.49,3153.3) 1398.31,2970.61 ; 1395.89,3351.21 cw(c1436.6,3169.35) 1401.54,3352.39 ; 1395.89,3351.21 ccw(c1436.17,3171.24) 1386.74,3348.92 cw(c1436.17,3171.24) 1395.89,3351.21 ; 1395.89,3351.21 cw(c1436.6,3169.35) 1401.54,3352.39 ; 1398.31,2970.61 ccw(c1436.9,3155.27) 1402.55,2969.78 ; 1398.31,2970.61 ccw(c1436.9,3155.27) 1402.55,2969.78 ; 1401.54,3352.39 cw(c1436.96,3167.43) 1405.78,3353.15 ; 1401.54,3352.39 cw(c1436.96,3167.43) 1405.78,3353.15 ; 1402.55,2969.78 ccw(c1437.32,3157.56) 1411.08,2968.4 ; 1402.55,2969.78 ccw(c1437.32,3157.56) 1411.08,2968.4 ; 1405.78,3353.15 cw(c1437.37,3164.95) 1414.3,3354.38 ; 1405.78,3353.15 cw(c1437.37,3164.95) 1414.3,3354.38 ; 1411.08,2968.4 ccw(c1437.54,3159.18) 1418.93,2967.47 ; 1411.08,2968.4 ccw(c1437.54,3159.18) 1418.93,2967.47 ; 1414.3,3354.38 cw(c1437.56,3163.39) 1422.14,3355.18 ; 1414.3,3354.38 cw(c1437.56,3163.39) 1422.14,3355.18 ; 1418.93,2967.47 ccw(c1437.75,3161.32) 1424.68,2967 ccw(c1437.89,3163.43) 1435.5,2966.57 ccw(c1437.92,3165.7) 1447.12,2966.77 ccw(c1437.83,3167.61) 1469.35,2969.04 ccw(c1437.84,3167.86) 1495.99,2975.14 ; 1422.14,3355.18 cw(c1437.73,3161.33) 1427.86,3355.55 ; 1422.14,3355.18 cw(c1437.73,3161.33) 1427.86,3355.55 ; 1427.86,3355.55 cw(c1437.86,3158.79) 1439.34,3355.8 ; 1427.86,3355.55 cw(c1437.86,3158.79) 1439.34,3355.8 ; 1439.34,3355.8 cw(c1437.83,3156.68) 1453.77,3355.17 ; 1439.34,3355.8 cw(c1437.83,3156.68) 1453.77,3355.17 ; 1453.77,3355.17 cw(c1437.63,3154.23) 1480.94,3351.11 ; 1453.77,3355.17 cw(c1437.63,3154.23) 1480.94,3351.11 ; 1480.94,3351.11 cw(c1437.78,3154.81) 1501.73,3345.35 ; 1480.94,3351.11 cw(c1437.78,3154.81) 1501.73,3345.35 ; 1495.99,2975.14 ccw(c1438.47,3165.73) 1507.68,2979.07 ; 1495.99,2975.14 ccw(c1438.47,3165.73) 1507.68,2979.07 ; 1501.73,3345.35 cw(c1438.45,3156.83) 1512.58,3341.35 ; 1501.73,3345.35 cw(c1438.45,3156.83) 1512.58,3341.35 ; 1507.68,2979.07 ccw(c1439.23,3163.69) 1517.09,2982.84 ; 1507.68,2979.07 ccw(c1439.23,3163.69) 1517.09,2982.84 ; 1512.58,3341.35 cw(c1439.24,3158.8) 1521.91,3337.32 ; 1512.58,3341.35 cw(c1439.24,3158.8) 1521.91,3337.32 ; 1517.09,2982.84 ccw(c1439.93,3162.05) 1521.69,2984.89 ; 1517.09,2982.84 ccw(c1439.93,3162.05) 1521.69,2984.89 ; 1521.69,2984.89 ccw(c1440.79,3160.19) 1528.16,2988.02 ; 1521.69,2984.89 ccw(c1440.79,3160.19) 1528.16,2988.02 ; 1521.91,3337.32 cw(c1440.18,3160.84) 1527.13,3334.81 ; 1521.91,3337.32 cw(c1440.18,3160.84) 1527.13,3334.81 ; 1527.13,3334.81 cw(c1441.11,3162.69) 1534.15,3331.12 ; 1527.13,3334.81 cw(c1441.11,3162.69) 1534.15,3331.12 ; 1528.16,2988.02 ccw(c1441.66,3158.49) 1536.98,2992.79 ; 1528.16,2988.02 ccw(c1441.66,3158.49) 1536.98,2992.79 ; 1534.15,3331.12 cw(c1441.85,3164.03) 1540.99,3327.15 ; 1534.15,3331.12 cw(c1441.85,3164.03) 1540.99,3327.15 ; 1536.98,2992.79 ccw(c1442.77,3156.55) 1540.69,2994.98 ; 1536.98,2992.79 ccw(c1442.77,3156.55) 1540.69,2994.98 ; 1540.69,2994.98 ccw(c1443.82,3154.82) 1545.55,2998.03 ; 1540.69,2994.98 ccw(c1443.82,3154.82) 1545.55,2998.03 ; 1540.99,3327.15 cw(c1443.1,3166.09) 1545.24,3324.49 ; 1540.99,3327.15 cw(c1443.1,3166.09) 1545.24,3324.49 ; 1545.24,3324.49 cw(c1444.26,3167.89) 1550.61,3320.9 ; 1545.24,3324.49 cw(c1444.26,3167.89) 1550.61,3320.9 ; 1545.55,2998.03 ccw(c1444.92,3153.12) 1552.09,3002.47 ; 1545.55,2998.03 ccw(c1444.92,3153.12) 1552.09,3002.47 ; 1550.61,3320.9 cw(c1445.47,3169.62) 1558.7,3314.94 ; 1550.61,3320.9 cw(c1445.47,3169.62) 1558.7,3314.94 ; 1552.09,3002.47 ccw(c1445.35,3152.5) 1562.42,3010.39 ; 1552.09,3002.47 ccw(c1445.35,3152.5) 1562.42,3010.39 ; 1558.7,3314.94 cw(c1445.44,3169.6) 1563.74,3310.87 ; 1558.7,3314.94 cw(c1445.44,3169.6) 1563.74,3310.87 ; 1562.42,3010.39 ccw(c1443.33,3154.97) 1567.94,3015.12 ; 1562.42,3010.39 ccw(c1443.33,3154.97) 1567.94,3015.12 ; 1563.74,3310.87 cw(c1444.09,3168) 1568.11,3307.09 ; 1563.74,3310.87 cw(c1444.09,3168) 1568.11,3307.09 ; 1567.94,3015.12 ccw(c1442.03,3156.43) 1572.21,3019.04 ; 1567.94,3015.12 ccw(c1442.03,3156.43) 1572.21,3019.04 ; 1568.12,3307.09 cw(c1442.62,3166.35) 1574.49,3301.13 ; 1568.12,3307.09 cw(c1442.62,3166.35) 1574.49,3301.13 ; 1572.21,3019.04 ccw(c1440.39,3158.16) 1579.85,3026.7 ; 1572.21,3019.04 ccw(c1440.39,3158.16) 1579.85,3026.7 ; 1574.49,3301.13 cw(c1440.85,3164.54) 1578.58,3297.01 ; 1574.49,3301.13 cw(c1440.85,3164.54) 1578.58,3297.01 ; 1578.58,3297.01 cw(c1439.94,3163.67) 1583.96,3291.17 ; 1578.58,3297.01 cw(c1439.94,3163.67) 1583.96,3291.17 ; 1579.85,3026.7 ccw(c1438.78,3159.69) 1584.2,3031.48 ; 1579.85,3026.7 ccw(c1438.78,3159.69) 1584.2,3031.48 ; 1583.97,3291.17 cw(c1438.36,3162.27) 1587.72,3286.8 ; 1583.97,3291.17 cw(c1438.36,3162.27) 1587.72,3286.8 ; 1584.2,3031.48 ccw(c1437.13,3161.15) 1587.48,3035.29 ; 1584.2,3031.48 ccw(c1437.13,3161.15) 1587.48,3035.29 ; 1587.48,3035.29 ccw(c1435.89,3162.17) 1596.73,3047.24 ; 1587.48,3035.29 ccw(c1435.89,3162.17) 1596.73,3047.24 ; 1587.72,3286.8 cw(c1436.37,3160.61) 1594.82,3277.76 ; 1587.72,3286.8 cw(c1436.37,3160.61) 1594.82,3277.76 ; 1594.82,3277.76 cw(c1435.2,3159.75) 1600.19,3270.13 ; 1594.82,3277.76 cw(c1435.2,3159.75) 1600.19,3270.13 ; 1596.73,3047.24 ccw(c1433.55,3163.85) 1604.71,3059.31 ; 1596.73,3047.24 ccw(c1433.55,3163.85) 1604.71,3059.31 ; 1600.19,3270.13 cw(c1432.77,3158.15) 1616.02,3241.73 ; 1600.19,3270.13 cw(c1432.77,3158.15) 1616.02,3241.73 ; 1604.71,3059.31 ccw(c1432.77,3164.35) 1623.15,3098.36 ; 1604.71,3059.31 ccw(c1432.77,3164.35) 1623.15,3098.36 ; 1616.02,3241.73 cw(c1433.17,3158.3) 1624.15,3220.93 ; 1616.02,3241.73 cw(c1433.17,3158.3) 1624.15,3220.93 ; 1623.15,3098.36 ccw(c1435.8,3163.26) 1626.2,3107.97 ; 1623.15,3098.36 ccw(c1435.8,3163.26) 1626.2,3107.97 ; 1624.15,3220.93 cw(c1435.58,3159.09) 1627.05,3211.28 ; 1624.15,3220.93 cw(c1435.58,3159.09) 1627.05,3211.28 ; 1626.2,3107.97 ccw(c1437.15,3162.87) 1628.78,3117.77 ; 1626.2,3107.97 ccw(c1437.15,3162.87) 1628.78,3117.77 ; 1627.05,3211.28 cw(c1436.96,3159.47) 1629.45,3201.48 ; 1627.05,3211.28 cw(c1436.96,3159.47) 1629.45,3201.48 ; 1628.78,3117.77 ccw(c1439.5,3162.31) 1630.31,3124.88 ; 1628.78,3117.77 ccw(c1439.5,3162.31) 1630.31,3124.88 ; 1629.45,3201.48 cw(c1439.54,3160.03) 1631.11,3192.96 ; 1629.45,3201.48 cw(c1439.54,3160.03) 1631.11,3192.96 ; 1630.31,3124.88 ccw(c1441.51,3161.91) 1631.57,3132.01 ; 1630.31,3124.88 ccw(c1441.51,3161.91) 1631.57,3132.01 ; 1631.11,3192.96 cw(c1441.56,3160.38) 1632.21,3185.77 ; 1631.11,3192.96 cw(c1441.56,3160.38) 1632.21,3185.77 ; 1631.57,3132.01 ccw(c1443.49,3161.6) 1632.64,3139.86 ; 1631.57,3132.01 ccw(c1443.49,3161.6) 1632.64,3139.86 ; 1632.21,3185.77 cw(c1443.56,3160.65) 1633.03,3178.57 ; 1632.21,3185.77 cw(c1443.56,3160.65) 1633.03,3178.57 ; 1632.64,3139.86 ccw(c1445.74,3161.34) 1633.15,3144.86 ; 1632.64,3139.86 ccw(c1445.74,3161.34) 1633.15,3144.86 ; 1633.03,3178.57 cw(c1445.71,3160.86) 1633.44,3173.54 ; 1633.03,3178.57 cw(c1445.71,3160.86) 1633.44,3173.54 ; 1633.15,3144.86 ccw(c1447.8,3161.16) 1633.6,3151.3 ; 1633.15,3144.86 ccw(c1447.8,3161.16) 1633.6,3151.3 ; 1633.44,3173.54 cw(c1449.42,3161.07) 1633.6,3151.3 ; 1633.44,3173.54 cw(c1449.42,3161.07) 1633.6,3151.3 ; 1610.24,1778.22 1795.28,1778.22 1795.28,1842.81 1610.24,1842.81 1610.24,1778.22 ; 1610.24,4687.67 1610.24,4752.26 1795.28,4752.26 1795.28,4687.67 1610.24,4687.67 ; 2381.89,1778.22 2381.89,1842.81 2566.93,1842.81 2566.93,1778.22 2381.89,1778.22 ; 2381.89,4687.67 2381.89,4752.26 2566.93,4752.26 2566.93,4687.67 2381.89,4687.67

## Other copper
Top Layer:
  rectangle net +5V: 2043.31,3877.95 2082.68,3893.7
  pour cut-out: 2255.91,2925.2 2259.84,2929.13 2472.44,2929.13 2472.44,2858.27 2263.78,2858.27 2255.91,2866.14

## Silkscreen, mask and mechanical layers (free items; w line width, h text height)
Top Overlay:
  drawing of 160 lines, arcs and shapes, not listed
  text "2017.48" at 2472.44,3377.95 h80
  text "佳恒新能源" at 2362.2,3295.28 h80
  text "MR9737_V2.0" at 2326.77,3224.41 h80
  text "GND" at 1582.68,2893.7 h60
  text "+5V" at 1574.8,2818.9 h60
  text "GND" at 2240.16,1530.4 h60
  text "B+" at 2362.2,1530.4 h60
  text "左" at 1653.54,1523.62 h60
  text "右" at 1744.09,1523.62 h60
  text "近光" at 2027.56,1523.87 h60
  text "B+ / (备用)" at 2421.26,1488.19 h60
  text "超车" at 1905.51,1464.57 h60 r90
  text "远光" at 1988.19,1464.61 h60 r90
  text "速度" at 2204.72,1464.57 h60 r90
Bottom Overlay:
  lines w0.5: 1851.57,1248.67 1851.57,1484.89
Top Solder:
  rectangle: 2303.15,2562.99 2539.37,2637.8
Mechanical 1:
  drawing of 243 lines, arcs and shapes, not listed
Mechanical 3:
  lines w3.94: 1689.48,2747.35 1740.66,2747.35 ; 1689.48,2786.72 1740.66,2786.72 1689.48,2786.72

## Text inside footprints (layer, text, board x,y; h text height)
C5: Top Overlay "+" at 2559.06,4444.88 h39.37 r270
C18: Top Overlay "+" at 1582.68,4444.88 h39.37 r270